# Altium PCB 控制板.PcbDoc (part 2 of 12) (continued)
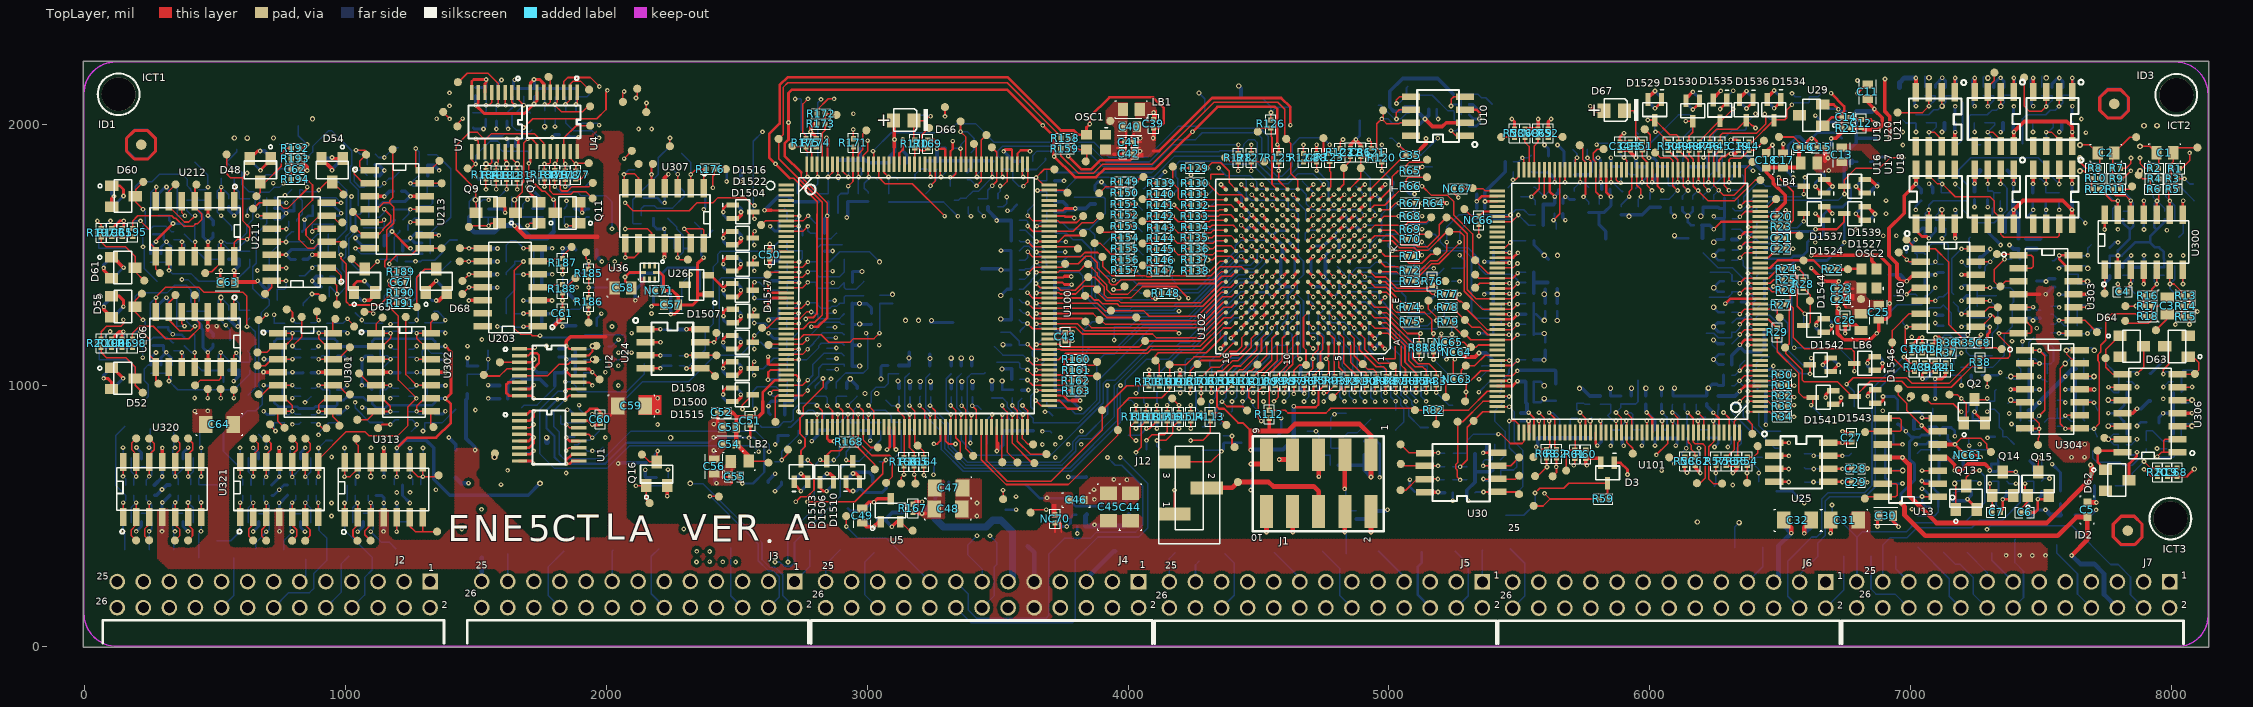
[diagram p0: TopLayer view]
## Footprints (in the part's own frame and the unit in brackets; to place one, negate y for a bottom-side part, rotate by r counter-clockwise, add the part's x,y. Pads: shape width x height; smd on the part's side, far side on the other; paste and mask are expansions set on the pad) (continued)
  silkscreen extent -39,-630 630,39
C0201 [mil]
  round 18 smd mask+2: 1(0,0) 2(35.6,0)
  silkscreen extent 0,-18 36,19
C0402 [mil]
  rect 20x20 smd mask+2: 1(0,0) 2(31.2,0)
  silkscreen extent -21,-20 52,20
C0603 [mil]
  rect 30x40 smd mask+2: 1(0,0) 2(55,0)
  silkscreen extent -20,-32 74,33
"C0603 - duplicate" [mil]
  rect 31x31 smd mask+2: 1(0,0) 2(55,0)
  silkscreen extent -26,-27 81,28
C0805#1 [mil]
  rect 40x50 smd mask+2: 1(0,0) 2(64.5,0)
  silkscreen extent -29,-34 94,34
C0805#2 [mil]
  rect 40x50 smd mask+2: 1(0,0) 2(68.8,0.2)
  silkscreen extent -29,-34 94,34
C0805#3 [mil]
  rect 36x50 smd mask+2: 1(0,0) 2(64.5,0)
  silkscreen extent -29,-34 94,34
C1206 [mil]
  rect 65x52 smd mask+2: 1(0,0) 2(0,-105.6)
  silkscreen extent -42,-142 42,36
DIP1 [mil]
  round 130 hole 130 mask+2: 1(0,0)
  silkscreen extent -80,-80 80,80
DIP26-2.54#1 [mil]
  rect 60x60 / inner round 60 / far side rect 60x60 hole 42 mask+2: 1(0,0)
  round 60 hole 42 mask+2: 2(0,-100) 3(-100,0) 4(-100,-100) 5(-200,0) 6(-200,-100) 7(-300,0) 8(-300,-100) 9(-400,0) 10(-400,-100) 11(-500,0) 12(-500,-100) 13(-600,0) 14(-600,-100) 15(-700,0) 16(-700,-100) 17(-800,0) 18(-800,-100) 19(-900,0) 20(-900,-100) 21(-1000,0) 22(-1000,-100) 23(-1100,0) 24(-1100,-100) 25(-1200,0) 26(-1200,-100)
  silkscreen extent -1256,-237 53,-149
DIP26-2.54#2 [mil]
  rect 60x60 hole 42 mask+2: 1(0,0)
  round 60 hole 42 mask+2: 2(0,-100) 3(-100,0) 4(-100,-100) 5(-200,0) 6(-200,-100) 7(-300,0) 8(-300,-100) 9(-400,0) 10(-400,-100) 11(-500,0) 12(-500,-100) 13(-600,0) 14(-600,-100) 15(-700,0) 16(-700,-100) 17(-800,0) 18(-800,-100) 19(-900,0) 20(-900,-100) 21(-1000,0) 22(-1000,-100) 23(-1100,0) 24(-1100,-100) 25(-1200,0) 26(-1200,-100)
  silkscreen extent -1256,-237 53,-149
LED0805 [mil]
  rect 50x55 smd mask+2: 1(0,0) 2(79.2,0)
  silkscreen extent 2,-40 132,46
R0402#1 [mil]
  rect 20x20 smd mask+2: 1(0,0) 2(31.2,0)
  silkscreen extent -21,-20 52,20
R0402#2 [mil]
  rect 18x18 smd mask+2: 1(0,0) 2(38.8,0)
  silkscreen extent -21,-20 52,20
R0402#3 [mil]
  rect 18x18 smd mask+2: 1(0,0) 2(39.1,0)
  silkscreen extent -21,-20 52,20
SMD1#1 [mil]
  round 40 smd mask+2: 1(0,0)
SMD1#2 [mil]
  round 50 smd mask+2: 1(0,0)
SMD2.0-4P [mil]
  rect 42x38 smd mask+2: 1(0,0) 2(-73.2,0) 3(-73.2,-57.1) 4(0,-57.1)
  silkscreen extent -2,27 8,27
SMD2.54-10P [mil]
  rect 50x125 smd mask+2: 1(0,0) 2(0,-217) 3(-100.42,0) 4(-100.42,-217) 5(-200.85,0) 6(-200.85,-217) 7(-301.27,0) 8(-301.27,-217) 9(-401.7,0) 10(-401.7,-217)
  silkscreen extent -454,-293 48,71
SMD3P [mil]
  rect 125x50 smd mask+2: 1(0,0) 2(125,100.9) 3(0,200.9)
  silkscreen extent -59,-113 175,311
SOP8 [mil]
  rect 22x10 smd mask+2: 1(0,0) 2(0,-19.65) 3(0,-39.3) 4(53,-39.3) 5(53,-19.65) 6(53,0)
  rect 10x22 smd mask+2: 7(26.4,4.7) 8(26.4,-44.4)
  silkscreen extent -22,-55 62,37
"SOP8 - duplicate"#1 [mil]
  rect 25x70 smd mask+2: 1(0,0) 2(-49.8,0) 3(-99.6,0) 4(-149.4,0) 5(-149.4,-206.7) 6(-99.6,-206.7) 7(-49.8,-206.7) 8(0,-206.7)
  silkscreen extent -176,-183 43,47
"SOP8 - duplicate"#2 [mil]
  rect 25x70 smd mask+2: 1(0,0) 2(-49.8,0) 3(-99.6,0) 4(-149.4,0) 5(-149.4,-210.4) 6(-99.6,-210.4) 7(-49.8,-210.4) 8(0,-210.4)
  silkscreen extent -176,-183 43,47
"SOP8 - duplicate"#3 [mil]
  rect 25x70 smd mask+2: 1(0,0) 2(-49.8,0) 3(-99.6,0) 4(-149.4,0) 5(-148.7,-277.9) 6(-99.5,-279) 7(-48.7,-278.7) 8(1.2,-277.5)
  silkscreen extent -183,-249 37,-30
SOP14 [mil]
  rect 25x70 smd mask+2: 1(0,0) 2(49.93,0) 3(99.87,0) 4(149.8,0) 5(199.73,0) 6(249.67,0) 7(299.6,0) 8(299.6,210.8) 9(249.67,210.8) 10(199.73,210.8) 11(149.8,210.8) 12(99.87,210.8) 13(49.93,210.8) 14(0,210.8)
  silkscreen extent -25,-65 322,188
SOP16 [mil]
  rect 13x58 smd mask+2: 1(0,0) 2(-25.63,0) 3(-51.26,0) 4(-76.89,0) 5(-102.51,0) 6(-128.14,0) 7(-153.77,0) 8(-179.4,0) 9(-179.4,-227.5) 10(-153.77,-227.5) 11(-128.14,-227.5) 12(-102.51,-227.5) 13(-76.89,-227.5) 14(-51.26,-227.5) 15(-25.63,-227.5) 16(0,-227.5)
  silkscreen extent -192,-176 14,61
SOP176 [mil]
  rect 60x11 smd mask+2: 1(0,0) 2(0,-19.68) 3(0,-39.37) 4(0,-59.06) 5(0,-78.74) 6(0,-98.43) 7(0,-118.11) 8(0,-137.8) 9(0,-157.48) 10(0,-177.17) 11(0,-196.85) 12(0,-216.54) 13(0,-236.22) 14(0,-255.91) 15(0,-275.59) 16(0,-295.28) 17(0,-314.96) 18(0,-334.65) 19(0,-354.33) 20(0,-374.02) 21(0,-393.7) 22(0,-413.39) 23(0,-433.07) 24(0,-452.76) 25(0,-472.44) 26(0,-492.13) 27(0,-511.81) 28(0,-531.5) 29(0,-551.18) 30(0,-570.87) 31(0,-590.55) 32(0,-610.24) 33(0,-629.92) 34(0,-649.61) 35(0,-669.29) 36(0,-688.98) 37(0,-708.66) 38(0,-728.35) 39(0,-748.03) 40(0,-767.72) 41(0,-787.4) 42(0,-807.09) 43(0,-826.77) 44(0,-846.46) 89(1008.8,-846.46) 90(1008.8,-826.77) 91(1008.8,-807.09) 92(1008.8,-787.4) 93(1008.8,-767.72) 94(1008.8,-748.03) 95(1008.8,-728.35) 96(1008.8,-708.66) 97(1008.8,-688.98) 98(1008.8,-669.29) 99(1008.8,-649.61) 100(1008.8,-629.92) 101(1008.8,-610.24) 102(1008.8,-590.55) 103(1008.8,-570.87) 104(1008.8,-551.18) 105(1008.8,-531.5) 106(1008.8,-511.81) 107(1008.8,-492.13) 108(1008.8,-472.44) 109(1008.8,-452.76) 110(1008.8,-433.07) 111(1008.8,-413.39) 112(1008.8,-393.7) 113(1008.8,-374.02) 114(1008.8,-354.33) 115(1008.8,-334.65) 116(1008.8,-314.96) 117(1008.8,-295.28) 118(1008.8,-275.59) 119(1008.8,-255.91) 120(1008.8,-236.22) 121(1008.8,-216.54) 122(1008.8,-196.85) 123(1008.8,-177.17) 124(1008.8,-157.48) 125(1008.8,-137.8) 126(1008.8,-118.11) 127(1008.8,-98.43) 128(1008.8,-78.74) 129(1008.8,-59.06) 130(1008.8,-39.37) 131(1008.8,-19.69) 132(1008.8,0)
  rect 11x60 smd mask+2: 45(79.4,-928) 46(99.08,-928) 47(118.77,-928) 48(138.46,-928) 49(158.14,-928) 50(177.83,-928) 51(197.51,-928) 52(217.2,-928) 53(236.88,-928) 54(256.57,-928) 55(276.25,-928) 56(295.94,-928) 57(315.62,-928) 58(335.31,-928) 59(354.99,-928) 60(374.68,-928) 61(394.36,-928) 62(414.05,-928) 63(433.73,-928) 64(453.42,-928) 65(473.1,-928) 66(492.79,-928) 67(512.47,-928) 68(532.16,-928) 69(551.84,-928) 70(571.53,-928) 71(591.21,-928) 72(610.9,-928) 73(630.58,-928) 74(650.27,-928) 75(669.95,-928) 76(689.64,-928) 77(709.32,-928) 78(729.01,-928) 79(748.69,-928) 80(768.38,-928) 81(788.06,-928) 82(807.75,-928) 83(827.43,-928) 84(847.12,-928) 85(866.8,-928) 86(886.49,-928) 87(906.17,-928) 88(925.86,-928) 133(925.85,79.7) 134(906.17,79.7) 135(886.49,79.7) 136(866.8,79.7) 137(847.11,79.7) 138(827.43,79.7) 139(807.75,79.7) 140(788.06,79.7) 141(768.38,79.7) 142(748.69,79.7) 143(729,79.7) 144(709.32,79.7) 145(689.64,79.7) 146(669.95,79.7) 147(650.26,79.7) 148(630.58,79.7) 149(610.9,79.7) 150(591.21,79.7) 151(571.52,79.7) 152(551.84,79.7) 153(532.16,79.7) 154(512.47,79.7) 155(492.78,79.7) 156(473.1,79.7) 157(453.42,79.7) 158(433.73,79.7) 159(414.05,79.7) 160(394.36,79.7) 161(374.67,79.7) 162(354.99,79.7) 163(335.31,79.7) 164(315.62,79.7) 165(295.93,79.7) 166(276.25,79.7) 167(256.57,79.7) 168(236.88,79.7) 169(217.19,79.7) 170(197.51,79.7) 171(177.83,79.7) 172(158.14,79.7) 173(138.45,79.7) 174(118.77,79.7) 175(99.08,79.7) 176(79.4,79.7)
  silkscreen extent 49,-876 952,28
SOT23-3 [mil]
  rect 40x50 smd mask+2: 1(0,0) 2(80.8,0) 3(40.4,90)
  silkscreen extent -22,-52 102,77
"SOT23-3 - duplicate" [mil]
  rect 25x45 smd mask+2: 1(0,0) 2(73.9,0) 3(36.95,88.5)
  silkscreen extent -40,-33 95,72
SOT23-5 [mil]
  rect 46x12 smd mask+2: 1(0,0) 2(0,-25.45) 3(0,-50.9) 4(81.6,-50.9) 5(81.6,0)
  silkscreen extent -35,-67 52,31
SOT-323 [mil]
  rect 20x48 smd mask+2: 1(0,0) 2(51.7,0) 3(25.85,79)
  silkscreen extent -20,-37 72,65

## Free pads (board coordinates)
  round 31 smd mask+2: 0(224.4,1780.5) 0(3931.9,2014.6) 1(348.2,1770.9) 1(6810.3,1331.3) 2(427.8,1770.5) 3(544,1885.9) 4(228.2,1402.1) 5(287.8,1431.3) 6(461.9,1431.3) 7(421.9,1346.7) 8(347.4,1347.1) 9(219.4,1352.1) 10(222.4,972.5) 11(282.4,1007.1) 12(423.2,1000.9) 13(471.5,986.7) 14(521.1,986.7) 15(571.5,983.8) 16(197.4,797.5) 17(246.9,796.7) 18(346.9,796.7) 19(396.5,797.1) 20(396.1,406.3) 21(345.7,405.9) 22(246.9,406.7) 23(196.9,406.3) 24(645.7,406.3) 25(695.7,405.5) 26(794.9,405) 27(845.3,405) 28(1045.7,405) 29(1095.7,405.5) 30(646.1,796.3) 31(696.1,796.3) 32(710.7,851.3) 33(766.1,838) 34(795.7,796.3) 35(846.1,796.3) 36(926.1,836.3) 37(1041.5,796.3) 38(976.5,845.9) 39(1044.9,868.8) 40(1124.9,836.7) 41(1016.9,965.9) 42(1051.9,1046.3) 43(666.5,966.7) 44(661.9,1076.3) 45(661.9,1127.1) 46(666.5,1251.7) 47(774.4,1292.1) 48(831.9,1263) 49(1016.9,1146.7) 50(1032.8,1226.3) 51(1141.9,1260.5) 52(1072.4,1282.1) 53(960.7,1255.5) 54(889.9,1284.2) 55(966.9,1310.9) 56(911.5,1336.3) 57(1023.2,1485.9) 58(691.5,1351.7) 59(991.9,1540.9) 60(1032.8,1600.9) 61(987.4,1625.5) 62(1027.8,1665.5) 63(991.9,1732.1) 64(645.3,1678) 65(658.2,1725.9) 66(1078.6,1885) 67(1180.7,1905.5) 68(1430.3,2163) 69(1374.4,2048.8) 70(1428.6,1993.8) 71(1778.2,2183.6) 72(1468.2,1832.5) 73(1359.9,1861.3) 74(1368.6,1775.5) 75(1472.8,1608) 76(1368.2,1526.3) 77(1438.6,1526.7) 78(1437.8,1476.3) 79(1448.2,1400.9) 80(1447.8,1350.9) 81(1272.4,1300.9) 82(1342.4,1263.8) 83(1230.7,1263) 84(1591.5,1089.2) 85(1529.9,1040.5) 86(1336.9,840.9) 87(1572.4,739.6) 88(1356.9,655.9) 89(1350.7,440) 90(2431.1,574.2) 91(2621.5,704.2) 92(2696.1,754.6) 93(2919.4,499.2) 94(2647.8,860.9) 95(2416.9,1035.9) 96(2421.9,1115.9) 97(2421.9,1201.7) 98(2621.9,1155.9) 99(2596.9,1221.3) 100(2617.4,1425.5) 101(2312.4,1483) 102(2165.7,549.2) 103(2136.1,735.5) 104(1974,1023.8) 105(1957.4,1099.2) 106(1961.1,1152.5) 107(1931.5,1241.3) 108(1881.5,1411.7) 109(1866.9,1531.3) 110(1921.9,1510.9) 111(1947.4,1717.5) 112(1947.8,1777.1) 113(1932.4,1852.5) 114(2097.4,1900) 115(2123.2,1850) 116(2178.2,1850) 117(2243.6,1917.5) 118(2152.8,2048.4) 119(2118.2,2138) 120(2063.2,2087.5) 121(1937.8,1996.3) 122(1937.8,2070.5) 123(1933.6,2134.6) 124(2457.8,1829.6) 125(2660.3,1945.5) 126(2713.2,1918.8) 127(2882.1,2037.8) 128(2593.2,1615.5) 129(3174.4,443.8) 130(3072.4,627.1) 131(3029,678.8) 132(3129.9,623.8) 133(3184.9,624.2) 134(3350.7,729.6) 135(3406.5,730) 136(3193.6,769.6) 137(3040.7,762.5) 138(2996.5,1978.4) 139(3236.9,1988) 140(3298.2,2067.5) 141(3357.8,2013) 142(3409.4,1926.3) 143(3456.9,1960.5) 144(3477.8,1913.4) 145(3837.8,1859.2) 146(3717.8,1828.8) 147(4059,1800) 148(3889.4,1737.5) 149(3767.4,1739.2) 150(4055.7,1715) 151(4055.3,1630) 152(4056.1,1545) 153(4056.3,1460.3) 154(3892.4,1596.7) 155(3828,1649.6) 156(3892.8,1650.3) 157(3827.8,1584.8) 158(3807.8,1525.3) 159(3871.5,1546.1) 160(3759,1466.7) 161(3846.7,1465.3) 162(3901.5,1493) 163(3847.4,1415.9) 164(3986.5,1380) 165(4073.2,1353) 166(4031.5,1260.9) 167(3934.4,1287.5) 168(3881.5,1368.4) 169(3835.3,1344.2) 170(3890.1,1251.9) 171(3836.9,1245.3) 172(3881.1,1035.5) 173(3881.5,1090.5) 174(4065.7,1170.9) 175(3900.7,905.5) 176(3960.9,829.4) 177(3636.1,774.2) 178(3686.9,737.1) 179(3640.7,702.5) 180(3576.1,705.5) 181(3517.8,705.9) 182(3521.1,564.2) 183(3626.3,513) 184(4421.1,630) 185(4408.6,763.8) 186(4376.9,848.8) 187(4456.5,904.6) 188(4169.4,950.5) 189(4279.4,938.8) 190(4105.3,1095.5) 191(4159,1080.5) 192(4265.7,1082.5) 193(4496.1,1080) 194(4682.4,1078.8) 195(4171.5,1839.2) 196(4372.8,1874.2) 197(4522.4,1858.4) 198(4606.5,1945.5) 199(4497.4,1973.4) 200(4749.4,1948.8) 201(4978.2,2054.6) 202(4892.4,1833.8) 203(4827.4,1834.2) 204(5146.5,1865.9) 205(5145.7,1798.8) 206(5162.4,1645) 207(5221.1,1644.6) 208(5289.4,1676.7) 209(5231.5,1590) 210(5152.4,1579.6) 211(5184.9,1514.8) 212(5216.5,1400.5) 213(5330.7,1480.5) 214(5331.1,1425) 215(5331.1,1375) 216(5295.7,1305) 217(5151.5,1325.5) 218(5291.5,1251.3) 219(5289.9,1200) 220(5314.4,1147.1) 221(4737.8,1077.1) 222(4899.9,1082.1) 223(5016.1,1075.5) 224(4783.6,955) 225(5099.9,905.9) 226(5218.6,955.5) 229(5181.5,852.5) 230(5044.9,774.6) 231(5045.7,699.2) 232(5044.9,598.8) 233(5555.3,538.8) 234(5499,583.4) 235(5499.4,654.2) 236(5560.7,653) 237(5628.2,652.1) 238(5679.9,674.2) 239(5554.4,725.5) 240(5499.4,724.6) 241(5263.6,861.3) 242(5325.3,864.6) 243(5292.4,939.6) 244(5294.9,1076.3) 245(5321.1,1756.7) 246(5430.9,1952.8) 247(5666.1,1953) 248(5731.9,1921.3) 249(5823.6,1906.3) 250(5981.1,1982.5) 251(6021.1,1893) 252(6394,1857.1) 253(6438.2,1938.8) 254(6424.9,1788) 255(6393.6,815) 256(6414.2,768) 257(6373.2,627.1) 258(6277.8,623.8) 259(6181.1,625.5) 260(6074.9,724.6) 261(5935.1,739) 262(6824.9,566.7) 263(6826.1,821.7) 264(6953.6,988) 265(7002.4,959.2) 266(7056.9,953) 267(6519.4,1145.5) 268(6929.9,1165) 269(6498.6,1261.3) 270(6614.4,1325) 271(6759.9,1445.9) 272(6589.9,1480) 273(6954.9,1510.5) 274(6985.3,1559.6) 275(6574,1574.6) 276(6484.9,1714.6) 277(6495.3,1953) 278(6950.7,2046.7) 279(7321.9,2200) 280(7435.7,2180.5) 281(7331.5,1503.8) 282(7344.9,1380) 283(7334.9,1300) 284(7334.9,1250) 285(7349.9,1140) 286(7294.9,1029.6) 287(7149.4,965) 288(7308.6,745.5) 289(7489,772.1) 290(7717.4,750.5) 291(7743.2,799.6) 292(7748.2,1105) 293(8090.3,1044.6) 294(7714.4,1204.6) 295(7823.2,1247.5) 296(7824,1304.6) 297(7744,1353) 298(7940.7,1212.1) 299(7849.4,1763.4) 300(7874.9,1808) 301(8100.3,1912.5) 302(7865.3,1952.1)
  round 31 smd far side mask+2: 1(222.4,1780.9) 2(352.4,1781.3) 3(472.4,1800.9) 4(522.8,1795.5) 5(572.8,1795.9) 6(583.2,1906.5) 7(748.6,1925.9) 8(1004,1750.5) 9(1358.6,1875.9) 10(1358.6,1770.5) 11(1492.4,1723.4) 12(1587.8,1720.5) 13(1637.8,1723) 14(1714.4,1980.5) 15(1708.2,2045) 16(1488.6,2046.3) 17(1489,1988) 18(1562.8,1907.5) 19(1532.4,1866.3) 20(1612.8,1865.9) 21(1663.2,1865.5) 22(1765.3,1979.2) 23(1934.4,2116.3) 24(1923.2,1976.7) 25(1938.2,1782.1) 26(1898.2,1733) 27(1882.8,1602.1) 28(1728.2,1600) 29(1283.2,1640.5) 30(1372.8,1530.9) 31(1402.8,1475.5) 32(1018.2,1471.7) 33(1133.6,1300) 34(1337.4,1285) 35(1278.2,1290) 36(1028.2,1148.8) 37(1037.6,1279.2) 38(624.4,1132.5) 39(662.4,1354.4) 40(579,1340.9) 41(522.4,1343.8) 42(606.9,1429.2) 43(362.4,1354.2) 44(382.4,1515.5) 45(54,1525.9) 46(219.9,1354.2) 47(53.2,1098.4) 48(380.3,1088.8) 49(242.8,1003.4) 50(447.4,983.8) 51(531.9,1013.4) 52(1142.8,1064.2) 53(1402.4,1124.6) 54(1546.1,1134.6) 55(1707.4,1100) 56(1670.3,1033) 57(1975.7,1022.5) 58(1674.9,914.6) 59(1824.4,883.4) 60(1972.8,825.9) 61(1986.9,764.2) 62(1772.8,783.4) 63(1565.3,739.2) 64(1422.4,909) 65(1252.8,824.2) 66(1052.4,683.4) 67(1097.4,633.8) 68(1250.1,478) 69(2108.8,1827.1) 70(2249.4,1839.6) 71(2289.2,1890) 72(2271.5,1770.9) 73(2733.2,1784.2) 74(2848.6,1909.6) 75(2923.2,1944.2) 76(3374.9,1939.2) 77(3414.4,2004.2) 78(3683.6,1871.3) 79(3556.9,1787.5) 80(4057.8,1754.6) 81(4055.3,1673) 82(3334,1710.7) 83(3319,1764.6) 84(3223.8,1734.6) 85(3183.2,1790.5) 86(3117.8,1790) 87(2890.7,1785.5) 88(3037.8,1789.6) 89(2682.6,1680) 90(2888,1659.8) 91(2751.9,1574.6) 92(2882.4,1584.6) 93(2751.9,1515) 94(2904,1539.2) 95(2911.9,1485) 96(2737.4,1360) 97(2987.4,1399.2) 98(2987.4,1344.6) 99(3097.4,1314.6) 100(2076.9,1527.5) 101(2408.2,1595.5) 102(2288.4,1287.8) 103(2592.1,1213) 104(2736.9,1204.2) 105(3821.5,1560.5) 106(3822.4,1499.6) 107(3772.8,1460.9) 108(3906.9,1540.9) 109(3916.9,1420) 110(3826.9,1420) 111(4053.6,1590) 112(4057.6,1500.7) 113(4054.6,1415.9) 114(3946.5,1224.6) 115(3881.1,1245) 116(3856.1,1149.6) 117(3642.6,1204.4) 118(3587.1,1204) 119(3512.4,1204.6) 120(3487.1,1149.4) 121(3631.9,1129.6) 122(3496.5,1089.6) 123(3452.4,1049.2) 124(3066.3,993.6) 125(3070.9,944.4) 126(2736.3,1064.4) 127(2773.6,904.2) 128(2580.9,854.4) 129(3036.1,904.6) 130(3181.5,817.5) 131(3436.9,908.4) 132(3636.3,909.2) 133(3711.5,884.2) 134(3706.9,819.2) 135(3880.7,1090) 136(3951.1,1084.8) 137(4001.1,944.2) 138(4060.7,955.9) 139(3920.9,890.3) 140(4001.1,809.2) 141(4070.7,754.2) 142(4030.7,709.2) 143(3456.9,773.8) 144(3256.1,693.4) 145(3531.1,524.2) 146(4298.2,1923.8) 147(4394,1873.6) 148(4316.1,1828) 149(4327.6,1752.5) 150(4333.6,1703.6) 151(4669,1782.5) 152(4673.8,1867.5) 153(4728.6,1863) 154(4748.2,1949.4) 155(4902.4,1822.5) 156(4959,2075) 157(5003.2,1948.8) 158(5072.8,2146.7) 159(5146.9,2113) 160(5166.9,1839.2) 161(5545.7,1883.4) 162(5546.5,1819.2) 163(5706.1,1903.8) 164(5761.3,1905.3) 165(5766.1,1759.6) 166(5556.3,1759.8) 167(5505.7,1724.2) 168(5457.1,1758.8) 169(5897.1,1744) 170(5946.5,1754.6) 171(6075.3,1764.6) 172(5886.1,1902.3) 173(6106.5,1930.9) 174(5641.1,1599.6) 175(5271.5,1654.8) 176(5271.3,1594) 177(5171.3,1647.1) 178(5177.1,1579) 179(5002.8,1629.2) 180(5018.8,1769.4) 181(4873.6,1763.8) 182(4681.5,1633.4) 183(4679.4,1557.5) 184(4941.1,1614.6) 185(4997.4,1546.3) 186(4803,1455.3) 187(4851.9,1465.5) 188(4984.2,1481.5) 189(4976.5,1430) 190(5086.5,1499.8) 191(5179,1517.1) 192(5291.1,1454.6) 193(5161.1,1399.2) 194(5155.7,1325.3) 195(5350.3,1305) 196(5262.4,1297.1) 197(5212.4,1297.1) 198(5155.7,1274.6) 199(5091.5,1300.5) 200(4681.5,1360.9) 201(4455.3,1193.4) 202(4599.9,1185.9) 203(4752.8,1167.5) 204(4848.8,1176.5) 205(5068.6,1190) 206(5227.4,1140) 207(4333.4,1652.4) 208(4335.7,1598.6) 209(4357.1,1552.8) 210(4317.1,1523) 211(4318.4,1473) 212(4104.4,1384.6) 213(4182.1,1394.8) 214(4151.5,1346.7) 215(4121.2,1189.6) 216(4167.1,1149.9) 217(4121.1,1099.2) 218(4246.9,1075) 219(4313.9,1076.2) 220(4365.3,1078) 221(4425.7,1077.1) 222(4496.1,1105.5) 223(4555.3,1143) 224(4586.9,1103) 225(4666.5,1136.3) 226(4790.9,1124.8) 227(4849.4,1117.1) 228(5033.6,1125) 229(5355.9,1074.4) 230(5146.9,1076.3) 231(5078,1076.7) 232(5012.6,1076.7) 233(4956.3,1089.2) 234(4906.9,1074.6) 235(4820.7,1074.6) 236(4101.5,1030.7) 237(4151.5,1014.6) 238(4111.1,975) 239(4158.6,960) 240(4246.1,884.2) 241(4311.5,904.6) 242(4352.8,851.3) 243(4285.1,842.5) 244(4396.5,899.6) 245(4451.9,900) 246(4501.7,899.4) 247(4836.7,894.2) 248(5026.5,905) 249(5105.3,899.2) 250(5424.9,969.6) 251(5405.3,901.7) 252(5635.3,1059.8) 253(5720.1,931.5) 254(5955.3,1020) 255(5647.6,879) 256(5701.1,875.3) 257(5778.6,878.4) 258(5839,885) 259(5944.2,879.8) 260(6114.4,878.8) 261(6068.6,735) 262(6123.8,724.4) 263(5476.5,676.1) 264(5324.9,814.6) 265(5493,592.8) 266(4730.5,684.4) 267(4686.5,824.2) 268(4526.9,699.6) 269(4125.7,754.2) 270(4180.9,634) 271(6159.6,1931.1) 272(6206.1,1954.4) 273(6262.8,1984.6) 274(6290.3,2032.8) 275(6277.8,1925.7) 276(6655.7,2118.2) 277(6971.1,2018.4) 278(7055.3,2185.5) 279(7114.9,2057.5) 280(7339,2057.1) 281(7283.6,2186.3) 282(7503.6,2185.9) 283(7638.6,1928) 284(7533.6,1942.5) 285(7634,1873.4) 286(7639.4,1813.8) 287(7524.4,1838) 288(7494,1793.2) 289(7339.9,1938) 290(7100.3,1938) 291(7105.7,1809.2) 292(7884.4,1929.2) 293(8084.2,1772.8) 294(8087.1,1709) 295(7639,1643.8) 296(7314.4,1654.2) 297(7107.8,1678.8) 298(6359.9,1764.6) 299(6414.4,1773) 300(6484.4,1679.2) 301(6513.2,1632.1) 302(6204.6,1508.8) 303(6359.9,1459.6) 304(4272.4,326.7) 304(6231.5,1435) 305(6509,1558) 306(6227.6,1338.8) 307(6505.1,1355.5) 308(6504.4,1300.7) 309(6217.8,1200.9) 310(6363.6,1095.5) 311(6458.6,1110.5) 312(6504.9,1165) 313(6499.9,1230.7) 314(6970.3,1254.6) 315(7070.7,1294.4) 316(6935.3,1345) 317(7139.4,1163.4) 318(7334,1254.6) 319(7329,1344.2) 320(7473.2,1184.6) 321(7533.2,1159.6) 322(7583.2,1139.4) 323(7544,1478.8) 324(7329.4,1498.8) 325(7145.3,1539.2) 326(7105.3,1509.6) 327(7229,1568.8) 328(7692.4,1539.2) 329(7693.6,1454.2) 330(7693.6,1403.8) 331(7859.4,1353) 332(7743.6,1349.6) 333(7688.4,1309.4) 334(7826.9,1303.8) 335(8046.5,1265) 336(7718.2,1134.2) 337(7745.5,1088.8) 338(7583.2,1083.8) 339(7708.2,1049.2) 340(8083.6,1058.4) 341(8083.6,958.8) 342(8082.8,858.8) 343(7742.1,948.6) 344(7718.2,903.6) 345(7742.4,849.2) 346(7716.5,803.4) 347(7699,750.5) 348(7849.4,665.5) 349(7514,859.2) 350(7373.6,932.1) 351(7397.4,774.8) 352(7291.9,753.8) 353(7328.2,984.6) 354(7368.2,1029.6) 355(6994.4,963.8) 356(7085.7,913) 357(6893,827.8) 358(6773,739.4) 359(6489,1035) 360(6489,959.8) 361(6214,879.2) 362(6313.2,803.8) 363(6386.1,799.6) 364(6183.8,724.8) 365(6431.9,725.5) 366(6493.2,760) 367(6501.5,825) 368(6502.4,878.4) 369(6247.4,614.2) 370(6418.8,630.7) 371(6594.4,629.4) 372(6593.6,684.6) 373(6593.6,739.2) 374(6773.2,685.5) 375(6773.2,624.4) 376(7026.1,739.6) 377(6979.4,675.5) 378(7155.7,634.6) 379(7005.3,571.3) 380(7284.6,552.3) 381(7452.4,545.5) 382(7341.7,529) 383(7456.5,493.4) 384(7028.6,500.9) 385(732.8,1585.5) 386(4836.9,355.9) 387(4835.7,569.2)

## Via types
v1: diameter 18, hole 8, TopLayer to BottomLayer, tented both sides, 1737 vias
v2: diameter 20, hole 12, TopLayer to BottomLayer, tented both sides, 71 vias
v3: diameter 22, hole 12, TopLayer to BottomLayer, tented both sides, 51 vias